# Altium PCB 通用工装板.PcbDoc (part 7 of 10) (continued)
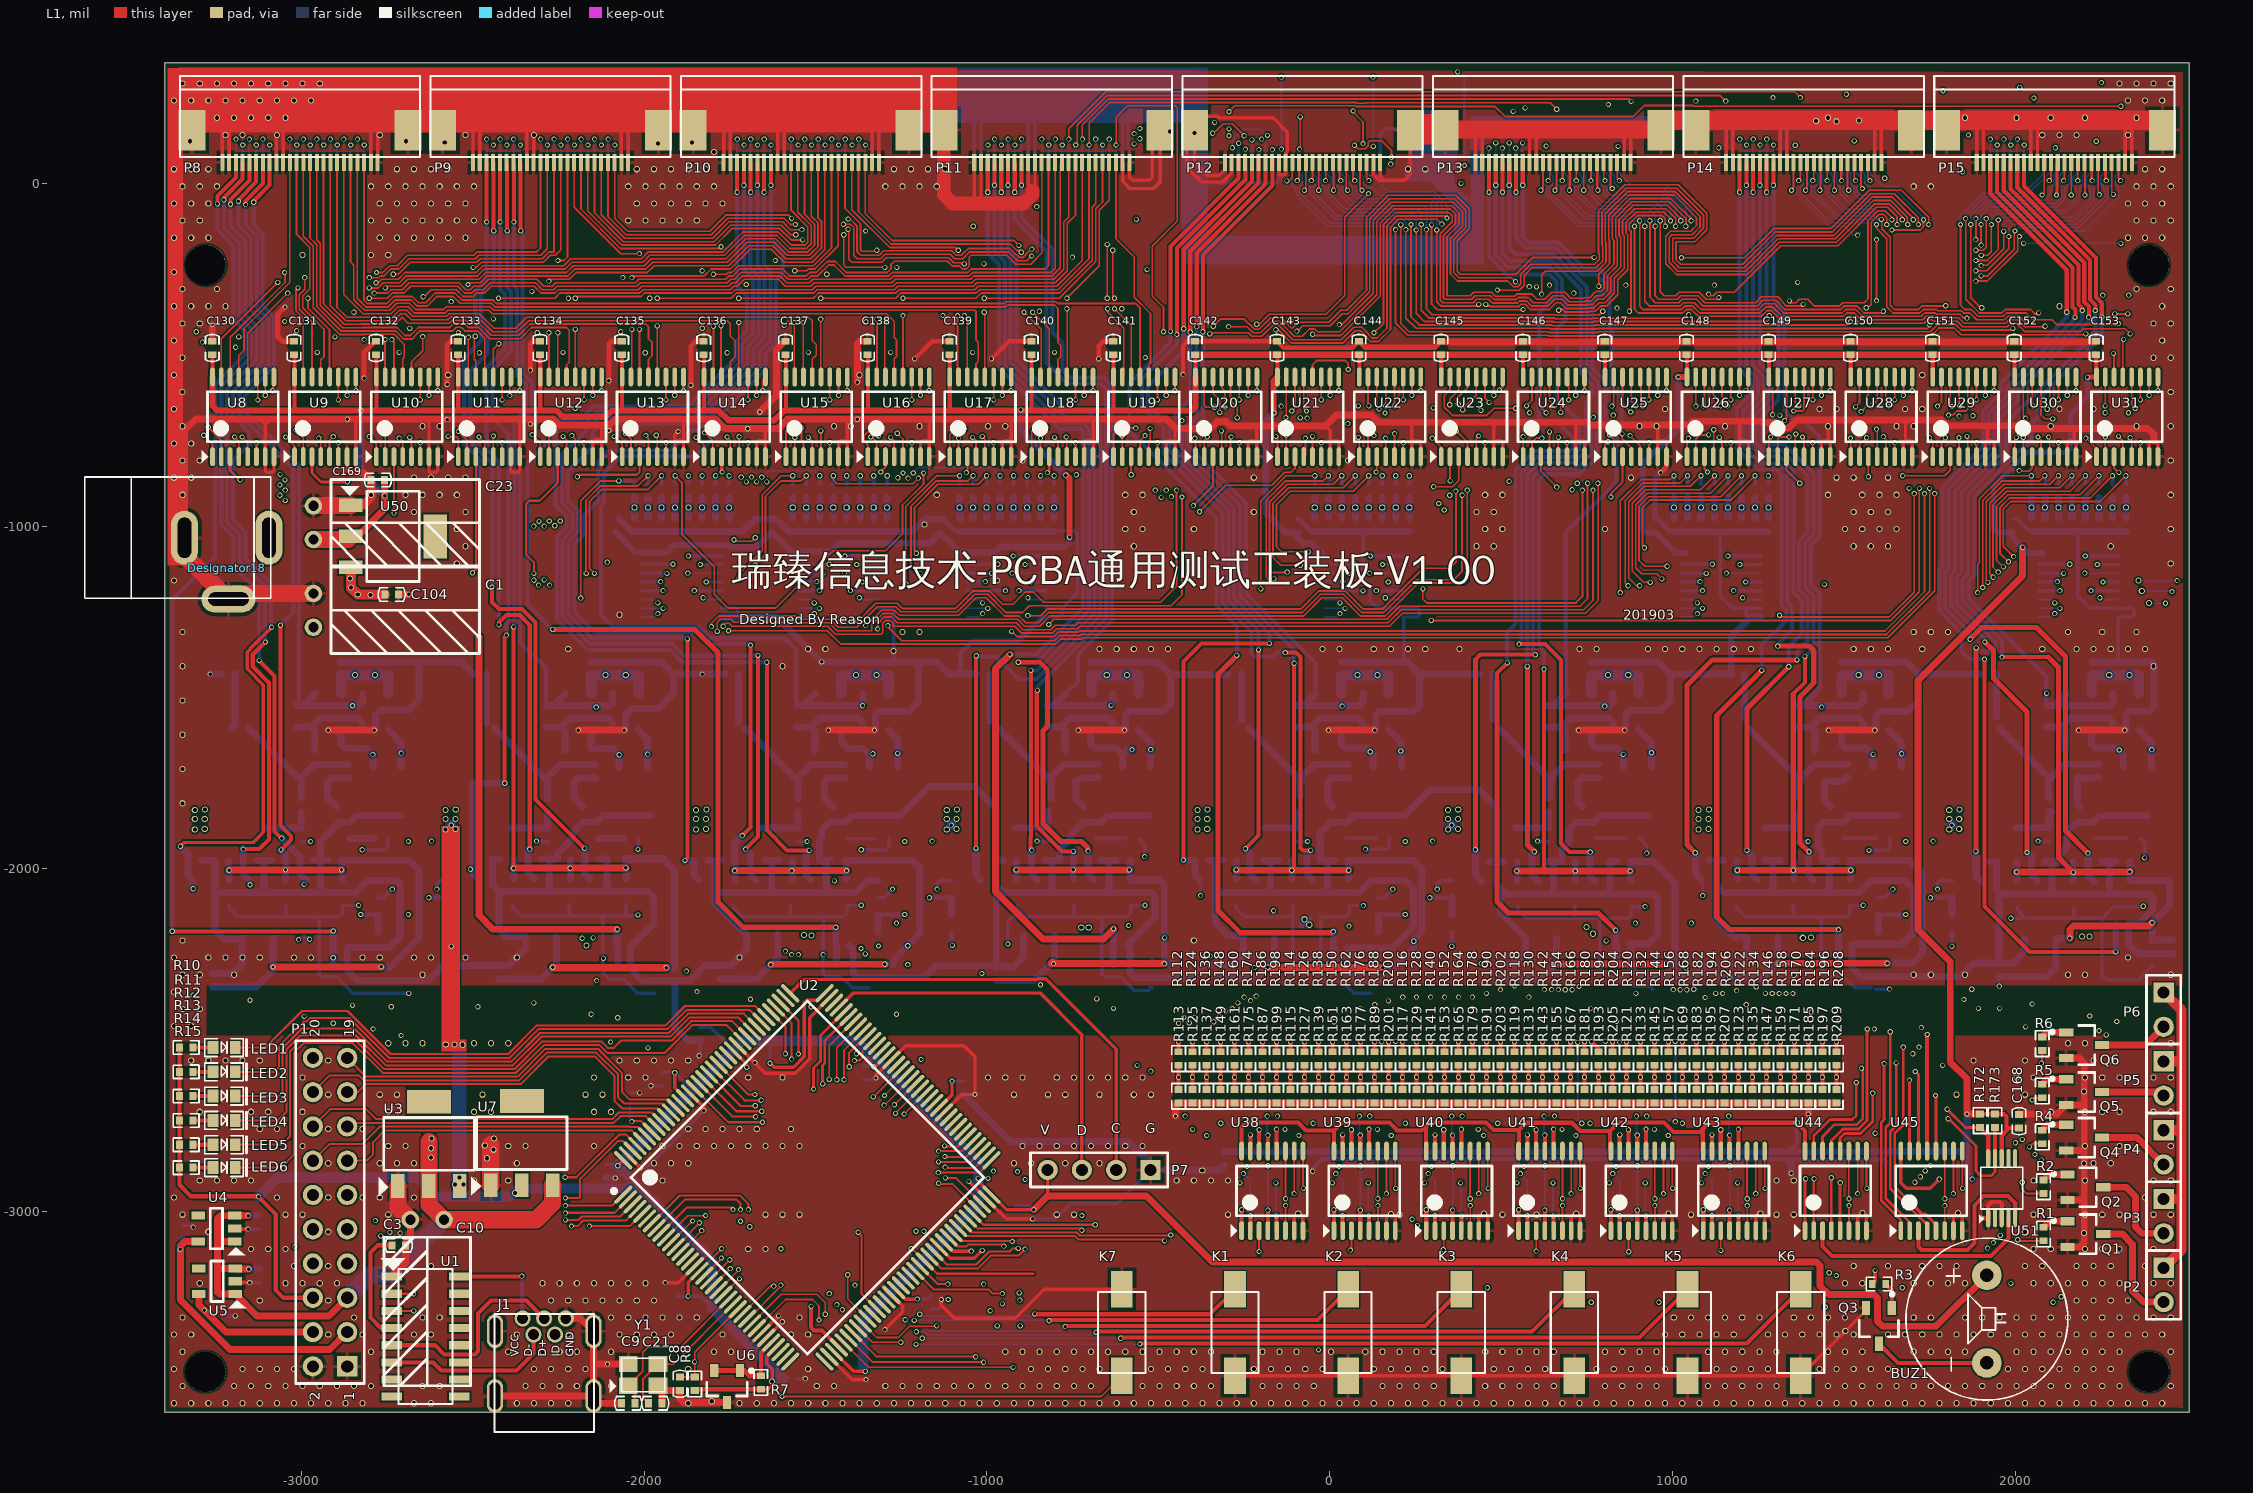
[diagram p0: L1 view]
## Nets (pads, with @x,y where several pads share a name; then routed paths per layer and width w, separated by ;. In a path a pad name is that pad's centre, name@x,y a point inside that pad or via, vN(x,y) a via of type N, cw(c..) or ccw(c..) an arc to the next point about the centre after c; other vN are vias at no path point) (continued)
  L2 w5: v1(1565,-363) 1565,-743 v1(1566,-742)
  L4 w5: P22.11@1412.18,60.67 1412.18,36.67 1424,24.86 1424,-1 1415,-10 1415,-26.21 1483.79,-95 1597.79,-95 1602.79,-90 1615.21,-90 1625,-99.79 v1(1625,-120)
M6_SPI_CS: P22.12 U29.2 | length 1206.1
  L1 w5: v1(1609,-105) 1610,-106 1610,-132 1635.14,-157.14 1635.14,-356 1647.14,-368 1717.22,-368 1727.22,-358 1796,-358 v1(1797,-357) ; U29.2@1784.51,-797.27 1784.51,-753.49 v1(1796,-742)
  L2 w5: v1(1796,-742) 1788,-734 1788,-366 v1(1797,-357)
  L4 w5: P22.12@1394,49.61 1394,1.79 1405,-9.21 1405,-30.36 1479.64,-105 v1(1609,-105) v1@1610,-106
M6_SPI_MISO: P22.9 U26.2 | length 1549.8
  L1 w5: U26.2@1067.64,-797.27 1067.64,-746.36 1080,-734 v1(1105,-734) ; v1(1105,-323) 1110,-328 1118.79,-328 1128.79,-318 1179.71,-318 1315.71,-182 1482.5,-182 1594.5,-70 1628,-70 1655,-97 v1(1655,-120)
  L2 w5: v1(1105,-734) v1(1105,-323)
  L4 w5: P22.9@1451.55,60.67 1451.55,37.45 1468,21 1468,3 1457,-8 1457,-26.21 1505.79,-75 1589.5,-75 1594.5,-70 1627.21,-70 1655,-97.79 v1(1655,-120)
M6_SPI_MOSI: P22.10 U27.2 | length 1402.9
  L1 w5: U27.2@1306.59,-797.27 1306.59,-745.41 1312,-740 v1(1340,-740) ; v1(1341,-343) 1341,-346 1343,-348 1360,-348 1370,-338 1394,-338 1414,-358 1486.22,-358 1496.22,-348 1558.79,-348 1570,-336.79 1570,-108.64 1598.64,-80 1619.36,-80 1640,-100.64 v1(1640,-106)
  L2 w5: v1(1340,-740) 1338,-738 1338,-713.21 1348,-703.21 1348,-680.21 1338,-670.21 1338,-346 v1(1341,-343)
  L4 w5: P22.10@1431.87,60.67 1431.87,31.13 1436,27 1436,1 1447,-10 1447,-30.36 1501.64,-85 1593.64,-85 1598.64,-80 1621.36,-80 1640,-98.64 v1(1640,-106)
M6_UART_RX: P22.8 U25.2 | length 2385.1
  L1 w5: v1(785,-300) 785,-265.64 816,-234.64 816,-166.85 814,-164.85 814,-92.93 872.93,-34 1004,-34 1070,-100 1070,-123 1053,-140 994,-140 980.14,-153.86 980.14,-234.78 1011.36,-266 1217.57,-266 1311.57,-172 1478.36,-172 1590.36,-60 1632.14,-60 1670,-97.86 v1(1670,-106) ; v1(816,-734) 828.68,-746.68 U25.2@828.68,-797.27
  L2 w5: v1(785,-300) 785,-340.57 811.21,-366.79 811.21,-379.21 807,-383.43 807,-725 v1(816,-734)
  L4 w5: P22.8@1471.24,60.67 1471.24,37.76 1478,31 1478,1.79 1486.79,-7 1487,-7 1488,-8 1488,-29.36 1523.64,-65 1585.36,-65 1590.36,-60 1631.36,-60 1670,-98.64 v1(1670,-106)
M6_UART_TX: P22.7 U24.2 | length 2613.3
  L1 w5: U24.2@589.72,-797.27 589.72,-755.28 602,-743 v1(619,-743) ; v1(618,-323) 618,-267.11 629,-256.11 780.39,-256.11 806,-230.5 806,-173.99 804,-171.99 804,-88.79 868.79,-24 1008.14,-24 1080,-95.86 1080,-127.14 1057.14,-150 998.14,-150 990.14,-158 990.14,-230.64 1015.5,-256 1213.43,-256 1307.43,-162 1474.22,-162 1586.22,-50 1636.28,-50 1685,-98.72 1685,-119 v1(1686,-120)
  L2 w5: v1(618,-323) 613,-328 613,-688 618,-693 618,-742 v1(619,-743)
  L4 w5: P22.7@1490.92,60.67 1490.92,37.08 1508,20 1508,1.79 1499,-7.21 1499,-26.21 1527.79,-55 1581.22,-55 1586.22,-50 1635.5,-50 1686,-100.5 v1(1686,-120)
M7_ADC1: P23.17 R30.1 | length 5761.2
  L1 w5: v1(-1754,-1305) -1466,-1305 -1427,-1344 -799.22,-1344 -784.22,-1329 -724,-1329 -721,-1326 1628,-1326 1765,-1189 v1(1765,-905)
  L2 w5: v1(-1754,-1305) -1754,-1269 -1766.5,-1256.5 -1766.5,-1034.05 -1700.5,-968.05 -1700.5,-904.97 v1(-1752.43,-853.04) ; v1(1765,-905) 1765,-875 1777,-863 1946,-863 1988,-821 1988,-690 2004,-674 2004,-469 1978,-443 1978,-414.72 2089,-303.72 2089,-94.5 2025.89,-31.39 v1(2025.89,112)
  L4 w5: P23.17@2025.23,60.67 v1@2025.23,111.34
  L4 w12: R30.1@-1752.43,-876.34 v1(-1752.43,-853.04)
M7_ADC2: P23.18 R46.1 | length 5334.8
  L1 w5: v1(-1289,-1290) -1289,-1294 -1249,-1334 -803.36,-1334 -788.36,-1319 -728.14,-1319 -725.14,-1316 1623.86,-1316 1750,-1189.86 v1(1750,-890)
  L2 w5: v1(-1291.15,-853.04) -1291.15,-872.85 -1201,-963 -1201,-1047 -1289,-1135 v1(-1289,-1290) ; v1(1750,-890) 1750,-863 1760,-853 1941.86,-853 1978,-816.86 1978,-685.86 1994,-669.86 1994,-473.14 1968,-447.14 1968,-410.57 2079,-299.57 2079,-98.64 2005.89,-25.53 v1(2005.89,129)
  L4 w5: P23.18@2005.55,60.67 v1@2005.55,128.65
  L4 w12: R46.1@-1291.15,-876.34 v1(-1291.15,-853.04)
M7_ADC3: P23.19 R62.1 | length 5014.3
  L1 w5: v1(-928,-1307) -913,-1322 -805.5,-1322 -792.5,-1309 -732.28,-1309 -729.28,-1306 1619.72,-1306 1735,-1190.72 v1(1735,-905)
  L2 w5: v1(1735,-905) 1735,-863.86 1755.86,-843 1937.72,-843 1968,-812.72 1968,-680 1984,-664 1984,-477.28 1958,-451.28 1958,-406.43 2069,-295.43 2069,-102.78 1986.52,-20.31 v1(1986.52,112)
  L2 w6: v1(-928,-1307) -928,-1306 -929,-1305 -809,-1305 -804.5,-1300.5 -804.5,-1156.5 -805,-1156 -805,-1025.97 -774.53,-995.5 -774.39,-995.5 -760,-981.11 -760,-912.89 -804.15,-868.74 v1(-804.15,-853.04)
  L4 w5: P23.19@1985.86,60.67 v1@1985.86,111.34
  L4 w12: R62.1@-804.15,-876.34 v1(-804.15,-853.04)
M7_ADC4: P23.20 R78.1 | length 3625.7
  L1 w5: v1(296,-1275) 1636.57,-1275 1720,-1191.57 v1(1720,-890)
  L2 w5: v1(231.92,-853.04) 266,-887.12 266,-1149 296,-1179 v1(296,-1275) ; v1(1720,-890) 1720,-864.72 1751.72,-833 1933.57,-833 1958,-808.57 1958,-675.86 1974,-659.86 1974,-481.43 1948,-455.43 1948,-402.29 2059,-291.29 2059,-106.92 1966.52,-14.45 v1(1966.52,129)
  L4 w5: P23.20@1966.18,60.67 v1@1966.18,128.65
  L4 w12: R78.1@231.92,-876.34 v1(231.92,-853.04)
M7_ADC5: P23.21 R94.1 | length 2536.6
  L1 w5: v1(1312,-1260) 1317,-1265 1632.43,-1265 1705,-1192.43 v1(1705,-905)
  L2 w5: v1(1279.75,-853.04) 1312,-885.28 v1(1312,-1260) ; v1(1705,-905) 1705,-865.57 1747.57,-823 1929.43,-823 1948,-804.43 1948,-671.72 1964,-655.72 1964,-487 1938,-461 1938,-394 2049,-283 2049,-111.07 1947.15,-9.22 v1(1947.15,112)
  L4 w5: P23.21@1946.49,60.67 v1@1946.49,111.34
  L4 w12: R94.1@1279.75,-876.34 v1(1279.75,-853.04)
M7_ADC6: P23.22 R110.1 | length 2534.9
  L1 w5: v1(1995,-1089) 1965,-1059 1965,-949.99 1986.96,-928.04 2247.47,-928.04 v1(2322.47,-853.04)
  L2 w5: v1(1690,-890) 1690,-866.43 1743.43,-813 1925.29,-813 1938,-800.29 1938,-667.57 1954,-651.57 1954,-491.14 1928,-465.14 1928,-389.86 2039,-278.86 2039,-115.21 2000.79,-77 1919,-77 1901,-59 1901,102.85 v1(1927.15,129)
  L3 w5: v1(1690,-890) 1690,-1053 1722,-1085 1879.99,-1085 1888.99,-1094 1968.79,-1094 1973.79,-1089 v1(1995,-1089)
  L4 w5: P23.22@1926.81,60.67 v1@1926.81,128.65
  L4 w12: R110.1@2322.47,-876.34 v1(2322.47,-853.04)
M7_FADC1: R30.2 R31.1 U32.4 | length 350.7
  L2 w10: v1@-1818.5,-1162.5 -1818.5,-1023.12 -1752.47,-957.08 v2(-1752.47,-946)
  L3 w10: v1(-1819,-1163) v1@-1818.5,-1162.5
  L4 w10: v1(-1819,-1163) -1774.23,-1163 U32.4@-1773.98,-1162.76
  L4 w20: R31.1@-1752.43,-976.69 R30.2@-1752.43,-915.71
M7_FADC2: R46.2 R47.1 U33.4 | length 350.3
  L2 w10: v1@-1362.59,-1162.5 -1362.59,-1012.03 v2@-1296.56,-946
  L3 w10: v1(-1363.09,-1163) v1@-1362.59,-1162.5
  L4 w10: v1(-1363.09,-1163) U33.4@-1318.32,-1163
  L4 w20: R47.1@-1291.21,-976.69 R46.2@-1291.21,-915.71
  other v2: -1291.25,-946
M7_FADC3: R62.2 R63.1 U34.4 | length 350.3
  L2 w10: v1@-871.26,-1162.5 -871.26,-1012.03 v2@-805.22,-946
  L3 w10: v1(-871.76,-1163) v1@-871.26,-1162.5
  L4 w10: v1(-871.76,-1163) U34.4@-826.98,-1163
  L4 w20: R63.1@-804.26,-976.69 R62.2@-804.26,-915.71
  other v2: -804.3,-946
M7_FADC4: R78.2 R79.1 U35.4 | length 350.3
  L2 w10: v1@171.26,-1162.5 171.26,-1012.03 v2@237.3,-946
  L3 w10: v1(170.76,-1163) v1@171.26,-1162.5
  L4 w10: v1(170.76,-1163) U35.4@215.54,-1163
  L4 w20: R79.1@231.92,-976.73 R78.2@231.92,-915.71
  other v2: 231.82,-946
M7_FADC5: R94.2 R95.1 U36.4 | length 350.3
  L2 w10: v1@1213.78,-1162.5 1213.78,-1012.03 v2@1279.81,-946
  L3 w10: v1(1213.28,-1163) v1@1213.78,-1162.5
  L4 w10: v1(1213.28,-1163) U36.4@1258.06,-1163
  L4 w20: R95.1@1279.69,-976.69 R94.2@1279.69,-915.71
  other v2: 1279.66,-946
M7_FADC6: R110.2 R111.1 U37.4 | length 350.3
  L2 w10: v1@2256.3,-1162.5 2256.3,-1012.03 v2(2322.38,-946)
  L3 w10: v1(2255.8,-1163) v1@2256.3,-1162.5
  L4 w10: v1(2255.8,-1163) U37.4@2300.57,-1163
  L4 w20: R111.1@2322.41,-976.69 R110.2@2322.41,-915.71
M7_GPIO0: P15.11 U8.4 | length 6286
  L1 w5: v1(-3195,-740) -3182.45,-752.55 U8.4@-3182.45,-797.27 ; v1(2078,-34) 2084,-28 2084,60.39 P15.11@2084.28,60.67
  L2 w5: v1(-3195,-740) -3195,-481 v1(-3192,-478)
  L3 w5: v1(-3192,-478) -2947.79,-478 -2942.79,-483 -2741.14,-483 -2726.14,-468 -2704.64,-468 -2699.64,-473 -2540,-473 -2529,-462 -2529,-443.21 -2527,-441.21 -2527,-437 -2521,-431 -2482.21,-431 -2429.21,-484 -2326,-484 -2296,-454 -2296,-432 -2284,-420 -2243,-420 -2215,-448 -2061,-448 -2054,-441 -2054,-422 -2042,-410 -2006,-410 -1977,-439 -1825,-439 -1814,-428 -1814,-411 -1803,-400 -1768,-400 -1739,-429 -1578,-429 -1577,-428 -1577,-399 -1568,-390 -1525,-390 -1497,-418 -1343,-418 -1338,-413 -1338,-389 -1330,-381 -1297,-381 -1270,-408 -1130,-408 -1093,-371 -1056,-371 -1029,-398 -862.28,-398 -852.28,-388 -840.79,-388 -832.79,-380 -774.21,-380 -773.21,-381 -760.79,-381 -759.79,-380 -655.21,-380 -654.21,-381 -641.79,-381 -640.79,-380 -635.21,-380 -634.21,-381 -621.79,-381 -620.79,-380 -614,-380 -613.11,-380.89 -600.68,-380.89 -599.79,-380 -596.92,-380 -588.92,-388 -484.92,-388 -483.64,-386.72 -475.8,-386.72 -461.08,-372 -415.64,-372 -409.64,-366 -194.36,-366 -188.36,-372 -88.26,-372 -82.26,-366 62.38,-366 87.38,-391 536.5,-391 548.5,-403 780.36,-403 785.61,-397.75 785.86,-398 1031.78,-398 1032.03,-397.75 1040.31,-397.75 1040.56,-398 1052.99,-398 1055.99,-401 1404.86,-401 1493.86,-312 1815.64,-312 1817.14,-313.5 1951.5,-313.5 2078,-187 v1(2078,-34)
M7_GPIO1: P15.12 U9.4 | length 5805.8
  L1 w5: v1(-2949,-743) -2943.49,-748.51 U9.4@-2943.49,-797.27 ; v1(2099,8) 2103.97,12.97 P15.12@2103.97,60.67
  L2 w5: v1(-2954,-493) -2949,-498 v1(-2949,-743)
  L3 w5: v1(-2954,-493) -2737,-493 -2722,-478 -2708.79,-478 -2703.79,-483 -2507.14,-483 -2492.14,-468 -2459.36,-468 -2433.36,-494 -2321.86,-494 -2306.86,-479 -2275.28,-479 -2254.28,-458 -2024.64,-458 -2015.64,-449 -1791.57,-449 -1781.57,-439 -1559.71,-439 -1548.71,-428 -1323.85,-428 -1313.85,-418 -1087.99,-418 -1077.99,-408 -858.14,-408 -848.14,-398 -836.64,-398 -828.64,-390 -778.36,-390 -777.36,-391 -756.64,-391 -755.64,-390 -659.36,-390 -658.36,-391 -617.64,-391 -617.54,-390.89 -600.17,-390.89 -593.06,-398 -480.78,-398 -479.5,-396.72 -471.66,-396.72 -456.94,-382 -411.5,-382 -405.5,-376 -198.5,-376 -192.5,-382 -84.11,-382 -78.11,-376 58.23,-376 83.23,-401 532.36,-401 544.36,-413 1030.92,-413 1032.92,-411 1409,-411 1498,-322 1811.5,-322 1813,-323.5 1958.5,-323.5 2099,-183 v1(2099,8)
M7_GPIO2: P15.13 U10.4 | length 5681.1
  L1 w5: v1(-2715,-743) -2704.53,-753.47 U10.4@-2704.53,-797.27 ; P15.13@2123.65,59.98 2123.65,-30.35 v1(2120,-34) 2120,56.32 P15.13@2123.65,59.98 ; P15.13@2123.65,59.98 P15.13@2123.65,60.67 2124,60.32 P15.13@2123.65,59.98
  L2 w5: v1(-2715,-743) -2715,-499 -2712,-496 v1(-2715,-493)
  L3 w5: v1@-2718,-493 v1(-2715,-493) -2503,-493 -2488,-478 -2463.5,-478 -2437.5,-504 -2317.72,-504 -2302.72,-489 -2271.14,-489 -2250.14,-468 -2020.5,-468 -2011.5,-459 -1787.43,-459 -1777.43,-449 -1555.57,-449 -1544.57,-438 -1319.71,-438 -1309.71,-428 -1083.85,-428 -1073.85,-418 -853.99,-418 -843.99,-408 -832.5,-408 -824.5,-400 -782.5,-400 -781.5,-401 -752.5,-401 -751.5,-400 -663.5,-400 -662.5,-401 -613.5,-401 -613.4,-400.89 -604.31,-400.89 -597.2,-408 -476.64,-408 -475.36,-406.72 -467.51,-406.72 -452.8,-392 -407.36,-392 -401.36,-386 -277.64,-386 -202.64,-386 -196.64,-392 -79.97,-392 -73.97,-386 54.09,-386 79.09,-411 528.22,-411 540.22,-423 1056.27,-423 1058.27,-421 1633.28,-421 1722.28,-332 1807.36,-332 1808.86,-333.5 1962.64,-333.5 2120,-176.14 v1(2120,-34)
M7_GPIO3: P15.14 U11.4 | length 5358.9
  L1 w5: v1(-2482,-740) -2465.57,-756.43 U11.4@-2465.57,-797.27 ; v1(2141,8) 2143.34,10.34 P15.14@2143.34,60.67
  L2 w5: v1(-2482,-740) -2482,-495 v1(-2481,-494)
  L3 w5: v1(-2481,-494) -2461.64,-494 -2441.64,-514 -2313.57,-514 -2298.57,-499 -2267,-499 -2246,-478 -2016.36,-478 -2007.36,-469 -1783.28,-469 -1773.28,-459 -1551.43,-459 -1540.43,-448 -1315.57,-448 -1305.57,-438 -1079.71,-438 -1069.71,-428 -849.85,-428 -839.85,-418 -828.36,-418 -820.36,-410 -786.64,-410 -785.64,-411 -748.36,-411 -747.36,-410 -667.64,-410 -666.64,-411 -609.36,-411 -609.25,-410.89 -608.45,-410.89 -601.34,-418 -472.5,-418 -471.21,-416.72 -463.37,-416.72 -448.66,-402 -403.21,-402 -397.21,-396 -281.79,-396 -206.79,-396 -200.79,-402 -75.83,-402 -69.83,-396 49.95,-396 74.95,-421 524.08,-421 536.08,-433 1261.36,-433 1263.36,-431 1637.43,-431 1726.43,-342 1803.21,-342 1804.71,-343.5 1966.78,-343.5 2141,-169.28 v1(2141,8)
M7_GPIO4: P15.15 U12.4 | length 5102.6
  L1 w5: v1(-2237,-738) -2226.61,-748.39 U12.4@-2226.61,-797.27 ; v1(2163,-34) P15.15@2163.02,60.67
  L2 w5: v1(-2237,-738) -2237,-501 -2233,-497 v1(-2237,-493)
  L3 w5: v1(-2237,-493) -2017.21,-493 -2003.21,-479 -1779.14,-479 -1769.14,-469 -1547.28,-469 -1536.28,-458 -1311.43,-458 -1301.43,-448 -1075.57,-448 -1065.57,-438 -845.71,-438 -835.71,-428 -511.93,-428 -483.93,-456 1823.01,-456 1898.08,-380.93 1957.29,-380.93 2163,-175.22 v1(2163,-34)
M7_GPIO5: P15.16 U13.4 | length 4882
  L1 w5: v1(-1995,-736) -1987.65,-743.35 U13.4@-1987.65,-797.27 ; v1(2182,8) 2182,59.96 P15.16@2182.71,60.67
  L2 w5: v1(-1997,-494) -2001,-498 -1995,-504 v1(-1995,-736)
  L3 w5: v1@-2001,-494 v1(-1997,-494) -1780,-494 -1765,-479 -1543.14,-479 -1532.14,-468 -1307.28,-468 -1297.28,-458 -1071.43,-458 -1061.43,-448 -841.57,-448 -831.57,-438 -516.08,-438 -488.08,-466 1827.15,-466 1902.22,-390.93 1961.43,-390.93 2182,-170.36 v1(2182,8)
M7_GPIO6: P15.17 U14.4 | length 4653
  L1 w5: v1(-1758,-740) -1748.69,-749.31 U14.4@-1748.69,-797.27 ; P15.17@2202.39,60.67 2202,60.28 2203,59.28 v1(2203,-34)
  L2 w5: v1(-1758,-740) v1(-1758,-494)
  L3 w5: v1(-1758,-494) -1544,-494 -1528,-478 -1303.14,-478 -1293.14,-468 -1067.28,-468 -1057.28,-458 -837.43,-458 -827.43,-448 -520.22,-448 -492.22,-476 1831.29,-476 1906.36,-400.93 1965.57,-400.93 2203,-163.5 v1(2203,-34)
M7_GPIO7: P15.18 U15.4 | length 4496
  L1 w5: v1(-1521,-741) -1509.73,-752.27 U15.4@-1509.73,-797.27 ; v1@2222.08,9.92 P15.18@2222.08,60.67 2224,58.75 v1(2224,8) v1@2222.08,9.92
  L2 w5: v1(-1521,-741) v1(-1521,-493)
  L3 w5: v1@-1524,-493 v1(-1521,-493) -1304,-493 -1289,-478 -1063.14,-478 -1053.14,-468 -833.28,-468 -823.28,-458 -524.36,-458 -496.36,-486 1835.43,-486 1910.5,-410.93 1969.72,-410.93 2224,-156.64 v1(2224,8) ; v1@-1521,-746 v1(-1521,-741)
M7_GPIO8: P15.19 U16.4 | length 4211.7
  L1 w5: v1(-1281,-741) -1270.78,-751.22 U16.4@-1270.78,-797.27 ; P15.19@2241.76,60.67 2241.76,-29.76 v1(2245,-33)
  L2 w5: v1(-1281,-741) v1(-1281,-493)
  L3 w5: v1(-1281,-493) -1064,-493 -1049,-478 -829.14,-478 -819.14,-468 -528.5,-468 -500.5,-496 1839.57,-496 1914.64,-420.93 1973.86,-420.93 2245,-149.79 v1(2245,-33)
M7_GPIO9: P15.20 U17.4 | length 4069.9
  L1 w5: v1(-1042,-741) -1031.82,-751.18 U17.4@-1031.82,-797.27 ; v1@2261.45,11.55 P15.20@2261.45,60.67 2265,57.12 v1(2265,8) v1@2261.45,11.55
  L2 w5: v1(-1042,-741) v1(-1042,-493)
  L3 w5: v1@-1046,-493 v1(-1042,-493) -830,-493 -815,-478 -532.64,-478 -504.64,-506 1843.72,-506 1918.79,-430.93 1965.57,-430.93 1972.64,-438 1999.21,-438 2008,-429.21 2008,-400.93 2265,-143.93 v1(2265,8)
M7_GPIO10: P15.21 U18.4 | length 3797.7
  L1 w5: v1(-803,-741) -792.86,-751.14 U18.4@-792.86,-797.27 ; P15.21@2281.13,60.67 2281.13,-27.13 v1(2286,-32)
  L2 w5: v1(-803,-741) v1(-803,-493)
  L3 w5: v1@-806,-493 v1(-803,-493) -531.79,-493 -508.79,-516 1847.86,-516 1922.93,-440.93 1961.43,-440.93 1968.5,-448 2011.21,-448 2050,-409.21 2050,-373.07 2286,-137.07 v1(2286,-32) ; v1@-803,-745 v1(-803,-741)
M7_GPIO11: P15.22 U19.4 | length 3537.7
  L1 w5: U19.4@-553.9,-797.27 -553.9,-750.9 v1(-539,-736) ; P15.22@2300.82,60.67 2300.82,14.18 v1(2307,8)
  L2 w5: v1(-539,-736) -539,-509 v1(-538,-508)
  L3 w5: v1@-543,-508 v1(-538,-508) -520,-526 1852,-526 1927.07,-450.93 1957.29,-450.93 1964.36,-458 2015.36,-458 2089,-384.36 2089,-348.21 2307,-130.21 v1(2307,8)
M7_GPIO12: P23.3 U20.4 | length 3365.2
  L1 w5: U20.4@-314.94,-797.27 v1@-314.94,-722 ; v1(1885,-285) 1918.14,-285 2007,-196.14 2007,-160 v1(2012,-155)
  L2 w5: v1(827,-676) 838,-665 v1(838,-364)
  L3 w5: v1(-316,-722) -315,-721 37.79,-721 44.79,-714 47.79,-717 136,-717 158,-695 265.14,-695 266.14,-694 357.36,-694 369.36,-706 478,-706 490,-694 643,-694 646,-697 806,-697 v1(827,-676) ; v1(838,-364) 847,-355 885.28,-355 898.28,-342 1046.22,-342 1092.22,-388 1157.78,-388 1193.78,-352 1285.36,-352 1293,-359.64 1293,-361.64 1319.36,-388 1395.5,-388 1416,-367.5 1416,-365.5 1496.5,-285 v1(1885,-285)
  L4 w5: v1(2012,-155) 2017,-155 2033,-139 2200.21,-139 2301,-38.21 2301,-12.73 2291.14,-2.86 2291.14,20.02 2300.82,29.7 P23.3@2300.82,60.67
M7_GPIO13: P23.4 U21.4 | length 3264.5
  L1 w5: U21.4@-75.98,-797.27 -71,-792.29 v1(-71,-743) ; v1(1900,-270) 1919,-270 1997,-192 1997,-141 v1(1999,-139)
  L2 w5: v1(-71,-743) -71,-690 v1(-66,-685) ; v1(712,-320) 712,-577 723,-588 753,-588 769,-604 v1(769,-682)
  L3 w5: v1(-66,-685) 261,-685 266,-680 321.72,-680 323.72,-682 359.5,-682 373.5,-696 473.86,-696 485.86,-684 v1@767,-684 ; v1@715,-322 736.29,-322 759.29,-345 881.14,-345 894.14,-332 1050.36,-332 1096.36,-378 1153.64,-378 1189.64,-342 1289.5,-342 1303,-355.5 1303,-357.5 1323.5,-378 1391.36,-378 1406,-363.36 1406,-361.36 1497.36,-270 v1(1900,-270)
  L4 w5: v1(1999,-139) 2009,-129 2184.36,-129 2270,-43.36 2270,-14 2281.14,-2.86 P23.4@2281.14,60.67
M7_GPIO14: P23.5 U22.4 | length 3011.4
  L1 w5: U22.4@162.98,-797.27 v1(162.98,-743) v1@162.98,-740 ; v1(1885,-255) 1916.43,-255 1981,-190.43 v1(1981,-155)
  L2 w5: v1(161,-670) 162.98,-671.98 v1(162.98,-743) ; v1(582,-301) 582,-307.21 593,-318.21 593,-659 v1(583,-669)
  L3 w5: v1(161,-670) 325.86,-670 327.86,-672 363.64,-672 377.64,-686 398.36,-686 399.36,-685 470.72,-685 484.72,-671 581,-671 v1(583,-669) ; v1(582,-301) 582,-318 602,-338 643.14,-338 676.14,-305 725.65,-305 731.65,-311 739.43,-311 763.43,-335 877,-335 890,-322 1056.86,-322 1070,-335.14 1070,-337.5 1100.5,-368 1149.5,-368 1185.5,-332 1293.64,-332 1313,-351.36 1313,-353.36 1327.64,-368 1387.21,-368 1396,-359.21 1396,-357.21 1498.21,-255 v1(1885,-255)
  L4 w5: v1(1981,-155) 1981,-131 1993,-119 2180.21,-119 2260,-39.21 2260,-17 2249,-6 2249,19 2261.45,31.45 P23.5@2261.45,60.67
M7_GPIO15: P23.6 U23.4 | length 2753.8
  L1 w5: v1(369,-722) 401.94,-754.94 U23.4@401.94,-797.27 ; v1@1893,-239 v1@1899,-239 ; v1(1900,-240) v1@1899,-239 ; v1(1966,-140) 1966,-191.28 1918.28,-239 v1@1899,-239
  L2 w5: v1(603,-723) v1(603,-302) ; v1(1900,-240) v1@1902,-238
  L3 w5: v1(369,-722) 490,-722 495,-727 554.79,-727 557.79,-724 602,-724 v1(603,-723) ; v1(603,-302) 624.79,-302 636.89,-314.11 652.89,-314.11 672,-295 729.79,-295 735.79,-301 743.57,-301 767.57,-325 871.36,-325 884.36,-312 1061,-312 1080,-331 1080,-333.36 1104.64,-358 1145.36,-358 1181.36,-322 1297.79,-322 1323,-347.21 1323,-349.21 1331.79,-358 1352.79,-358 1372.79,-338 1379.64,-338 1477.64,-240 v1(1900,-240)
  L4 w5: v1(1966,-140) 1966,-118 1975,-109 2171.14,-109 2228,-52.14 2228,-19 2239,-8 2239,27 2241.77,29.77 P23.6@2241.77,60.67
M7_I2C_SCL: P23.14 U31.4 | length 1474
  L1 w5: v1(1840,-120) 1840,-355.21 1852.79,-368 1871.14,-368 1891.14,-388 1964.36,-388 1974.36,-378 2031.21,-378 2050,-396.79 2050,-397 2051,-398 2107,-398 2121,-412 2298,-412 v1(2301,-409) ; v1(2301,-738) 2313.61,-750.61 U31.4@2313.61,-797.27
  L2 w5: v1(2301,-738) v1(2301,-409)
  L4 w5: v1(1840,-120) 1840,-95.72 1906.72,-29 2025,-29 2084.29,30.29 P23.14@2084.29,60.67
M7_I2C_SDA: P23.13 U30.4 | length 1236.6
  L1 w5: v1(1855,-103) 1855,-337.72 1895.28,-378 1960.22,-378 1970.22,-368 2045,-368 2060,-383 2065,-378 v1(2068,-378) ; v1(2066,-740) 2074.65,-748.65 U30.4@2074.65,-797.27
  L2 w5: v1(2066,-740) 2066,-380 v1(2068,-378)
  L4 w5: v1(1855,-103) 1855,-94.86 1910.86,-39 2029.14,-39 2103.97,35.83 P23.13@2103.97,60.67
M7_SPI_CLK: P23.11 U28.4 | length 1394.6
  L1 w5: v1(1595,-717) 1596.74,-718.74 U28.4@1596.74,-797.27 ; v1(1595,-342) v1(1595,-164) ; v1(1885,-164) v1(1885,-103)
  L2 w5: v1(1595,-717) v1(1595,-342)
  L3 w5: v1(1595,-164) v1(1885,-164)
  L4 w5: 1885,-119 v1(1885,-103) 1885,-93.14 1919.14,-59 2116.21,-59 2135,-40.21 2135,-18 2126,-9 2126,19 2143.34,36.34 P23.11@2143.34,60.67
M7_SPI_CS: P23.12 U29.4 | length 1131.6
  L1 w5: U29.4@1835.69,-797.27 v1(1835.69,-742) ; v1(1870,-120) 1870,-334 1899,-363 v1(1902,-363)
  L2 w5: v1(1835.69,-742) 1836,-741.69 v1(1836,-679) ; v1(1876,-678) 1871,-673 1871,-419 1902,-388 v1(1902,-363)
  L3 w5: v1(1836,-679) 1875,-679 v1(1876,-678)
  L4 w5: v1(1870,-120) 1870,-94 1915,-49 2084.21,-49 2104,-29.21 2104,-14 2114,-4 2114,24 2123.66,33.66 P23.12@2123.66,60.67
M7_SPI_MISO: P23.9 U26.4 | length 1840.4
  L1 w5: U26.4@1118.82,-797.27 1120,-796.08 v1(1120,-719) ; v1(1885,-195) 1906.21,-195 1915,-186.21 v1(1915,-103)
  L2 w5: v1(1120,-719) 1115,-714 1115,-503 1121,-497 1121,-342.21 1120,-341.21 1120,-299 v1(1122,-297)
  L3 w5: v1(1122,-297) 1127,-292 1346.79,-292 1358.79,-304 1371.21,-304 1480.21,-195 v1(1885,-195)
  L4 w5: v1(1915,-103) 1939,-79 2139,-79 2169,-49 2169.21,-49 2178,-40.21 2178,-18 2166,-6 2166,15 2182.71,31.71 P23.9@2182.71,60.67
M7_SPI_MOSI: P23.10 U27.4 | length 1581.9
  L1 w5: U27.4@1357.78,-797.27 1357.78,-727.22 1359.5,-728.95 v1(1359.5,-731.22) ; v1(1900,-180) v1(1900,-120)
  L2 w5: v1(1359.5,-731.22) 1359.5,-725.5 1383,-702 1383,-548.14 1364,-529.14 1364,-355.36 1366,-353.36 1366,-332.64 1364,-330.64 1364,-290 v1(1365,-289)
  L3 w5: v1(1365,-289) 1474,-180 v1(1900,-180)
  L4 w5: v1(1900,-120) 1900,-92.28 1923.28,-69 2120.36,-69 2146,-43.36 2146,-13 2156,-3 2156,22 2163.03,29.03 P23.10@2163.03,60.67
M7_UART_RX: P23.8 U25.4 | length 2144.6
  L1 w5: v1(853,-731) 853,-745 879.86,-771.86 U25.4@879.86,-797.27 ; v1(1900.5,-210) 1919,-210 1930,-199 v1(1930,-120)
  L2 w5: v1(853,-731) 853,-308 v1(864,-297)
  L3 w5: v1(864,-297) 864,-294 862,-292 1084,-292 1094,-302 1105.79,-302 1115.79,-312 1128.21,-312 1138.21,-302 1342.64,-302 1354.64,-314 1375.36,-314 1479.36,-210 v1(1900.5,-210)
  L4 w5: v1(1930,-120) 1930,-102.14 1943.14,-89 2143.14,-89 2173.14,-59 2173.36,-59 2188,-44.36 2188,-15 2197,-6 2197,22 2202.4,27.4 P23.8@2202.4,60.67
M7_UART_TX: P23.7 U24.4 | length 2446.7
  L1 w5: U24.4@640.9,-797.27 v1@640.9,-725.1 ; v1(1885,-225) 1918.14,-225 1950,-193.14 v1(1950,-107)
  L2 w5: v1(641,-725) 655,-711 655,-670.14 633,-648.14 633,-346.14 643,-336.14 643,-299 v1(641,-297)
  L3 w5: v1(641,-297) 646,-292 660.86,-292 667.86,-285 733.93,-285 739.93,-291 747.72,-291 771.72,-315 867.21,-315 880.21,-302 1079.86,-302 1090,-312.14 1090,-329.21 1108.79,-348 1141.21,-348 1177.21,-312 1338.5,-312 1350.5,-324 1379.5,-324 1478.5,-225 v1(1885,-225)
  L4 w5: 1953,-99 2167,-99 2218,-48 2218,-17 2207,-6 2207,17.86 2222.08,32.94 P23.7@2222.08,60.67
MCU+3V3: BUZ1.1 C11.2 C12.2 C13.2 C14.2 C15.2 C16.2 C17.2 C18.2 C19.2 C20.2 P1.6 P7.4 R7.2 R8.2 R10.2 R11.2 R12.2 R13.2 R14.2 R15.2 U2.17 U2.33 U2.39 U2.52 U2.62 U2.72 U2.84 U2.95 U2.108 U2.121 U2.131 U2.144 U7.2 | length 11029.3
  L1 w5: U2.17@-1838.56,-3172.78 -1774,-3108.22 v1(-1774,-3108)
  L1 w10: v1(-2077,-2866) -2077,-2865.58 U2.144@-2061.27,-2849.85 ; v1(-1911,-2594) -1911,-2638.22 U2.131@-1880.32,-2668.9 ; v1(-1872,-3247) -1872,-3206.22 U2.17@-1838.56,-3172.78 ; U2.121@-1741.13,-2529.7 -1701,-2569.83 v1(-1701,-2579) ; R7.2@-1659.76,-3517.83 -1638.83,-3517.83 -1627,-3506 v2(-1627,-3495) -1627,-3459 -1643,-3443 -1643,-3422.64 U2.33@-1615.85,-3395.49 ; v1(-1633,-2567) -1621,-2579 -1564.25,-2579 -1532.5,-2547.25 -1532.5,-2392.5 -1534,-2391 -1526,-2383 -1494.2,-2383 U2.108@-1473.87,-2362.67 ; U2.39@-1446.04,-3409.41 -1389.45,-3466 v1(-1355,-3466) ; v1(-1331,-2577) -1326.3,-2577 U2.95@-1292.92,-2543.62 ; U2.52@-1265.08,-3228.46 -1238.54,-3255 v1(-1203,-3255) ; U2.84@-1139.81,-2696.74 -1102,-2658.93 v1(-1102,-2619) ; U2.62@-1125.89,-3089.26 -1100.15,-3115 v1(-1046,-3115) ; v1(-1026,-2903) -1026,-2910.77 U2.72@-986.69,-2950.07 -942.77,-2994 v1(-863,-2994) ; -823,-2954 P7.4@-823,-2878
  L1 w12: R10.2@-3355.66,-2521.06 R11.2@-3355.66,-2591.93 R12.2@-3355.66,-2662.8 R13.2@-3355.66,-2733.66 R14.2@-3355.66,-2804.53 R15.2@-3355.66,-2871.46 -3355.66,-2921.34 -3322,-2955 v1@-3127.3,-2955 ; v1@-3125.65,-2956.65 -3075,-3007.3 -3075,-3229 -3052.86,-3251.14 P1.6@-2966.5,-3251.14 ; R8.2@-1848.74,-3517.83 R7.2@-1659.76,-3517.83
  L1 w20: v1(-863,-2994) -823,-2954 -535,-2954 -342,-3147 1420,-3147 1430,-3157 1430,-3216 1456,-3242 1588,-3242 1598,-3252 1598,-3320 1612,-3334 1768.35,-3334 BUZ1.1@1916.96,-3185.39
  L4 w10: C17.2@-2113,-2862.32 -2080.69,-2862.32 v1(-2077,-2866) ; C14.2@-1946,-2593.32 v1@-1911.69,-2593.32 ; v1(-1911,-2594) -1858,-2647 ; C15.2@-1902,-3246.69 v1@-1872.32,-3246.69 ; v1(-1872,-3247) -1834.69,-3247 -1802.5,-3279.19 ; C11.2@-1836,-2461.32 -1806.69,-2461.32 -1739.5,-2528.5 -1701,-2567 v1(-1701,-2579) ; v1(-1633,-2567) -1633,-2504 ; v2(-1627,-3495) -1602.69,-3495 C18.2@-1594.69,-3487 ; C20.2@-1359,-2575.32 -1332.69,-2575.32 v1(-1331,-2577) -1318.11,-2564.11 -1318.11,-2563 ; -1269,-3225 -1239,-3255 v1(-1203,-3255) -1171.69,-3255 C19.2@-1161,-3244.32 ; -1162.05,-2719.05 -1102,-2659 v1(-1102,-2619) ; -1129,-3085 -1099,-3115 v1(-1046,-3115) ; v1@-1101.69,-2619.32 C12.2@-1068,-2619.32 ; C16.2@-917,-2983.32 -872.69,-2983.32 -863,-2993 v1(-863,-2994)
  L4 w30: v1(-3125,-2956) -3070,-2901 -2662,-2901 -2607,-2956 -2389.97,-2956 -2357,-2923.03 -2347.53,-2932.5 -2010.5,-2932.5 ; C18.2@-1594.69,-3487 -1802.5,-3279.19 -1802.5,-3140.5 -2010.5,-2932.5 ; -1361,-3457 -1361,-3317 -1269,-3225 -1129,-3085 -1025.5,-2981.5 -1025.5,-2855.61 -1162.05,-2719.05 -1318.11,-2563 -1380.11,-2501 -1712,-2501 -1739.5,-2528.5 -1858,-2647 v1(-2077,-2866) -2010.5,-2932.5
  other v2: -2377,-2945
MCU+5V0: C2.2 C6.2 C7.2 C10.1 P1.5 U3.2 U4.1 U4.3 U5.1 U5.3 U7.3 | length 1954.8
  L1 w20: -3243.4,-3165.6 U5.3@-3192.85,-3165.6 -3191.13,-3167.32 v1(-3153.69,-3167.32) v1@-3155.4,-3165.6 ; -3242.4,-3086.4 U4.1@-3194.85,-3086.4 ; U4.3@-3194.85,-3011.6 -3236.6,-3011.6 -3245,-3020 -3245,-3235 -3239.6,-3240.4 U5.1@-3192.85,-3240.4 -3129.25,-3304 -2919.36,-3304 P1.5@-2866.5,-3251.14 ; U4.3@-3194.57,-3011.32 v1(-3155.69,-3011.32)
  L1 w50: -2628,-2796 U3.2@-2628,-2925.03 -2628,-2979.07 C10.1@-2583.79,-3023.28 -2315.28,-3023.28 -2267.5,-2975.5 -2267.5,-2923.03 U7.3@-2266.45,-2923.03 U7.3@-2268.06,-2921.42
  L4 w20: v1(-3155.69,-3011.32) C7.2@-3126,-3011.32 ; v1(-3153.69,-3167.32) C6.2@-3120,-3167.32
  L4 w50: P1.5@-2866.5,-3251.14 -2800.36,-3185 -2745.5,-3185 C10.1@-2583.79,-3023.28
  other v2: -2622,-2842 -2622,-2815 -2621,-2786
NetBUZ1_2: BUZ1.2 Q3.3 | length 338.2
  L1 w12: Q3.3@1602,-3385.2 1658.1,-3441.3 BUZ1.2@1916.96,-3441.3
NetC3_2: C3.2 U1.4 | length 337
  L1 w12: U1.4@-2736.58,-3339.42 -2768.58,-3339.42 -2799,-3309 -2799,-3119 -2778,-3098 C3.2@-2735.69,-3098
NetC4_1: C4.1 P1.3 U4.5 | length 806.7
  L1 w20: v1@-3353,-3110 -3353,-3257 -3208,-3402 -2917.36,-3402 P1.3@-2866.5,-3351.14 ; -3353,-3100 -3339.4,-3086.4 U4.5@-3301.15,-3086.4
  L4 w20: v1(-3354,-3110) -3354,-3099 -3346,-3091 C4.1@-3346,-3078.69
NetC5_1: C5.1 P1.4 U5.5 | length 429.3
  L1 w20: U5.5@-3299.15,-3240.4 -3299.15,-3271.85 -3219.86,-3351.14 P1.4@-2966.5,-3351.14
  L4 w20: v1(-3283,-3287) -3266,-3304 C5.1@-3257.69,-3304